# Altium PCB rpi_childboard_pcb.PcbDoc
Units mm, origin at the board's own origin, x right, y up, seen from the top; angles counter-clockwise.
Board outline 80.91 x 83.95 mm, 2 copper layers (Top Layer, Bottom Layer); 11 components, 16 nets, 104 pads, 12 vias.
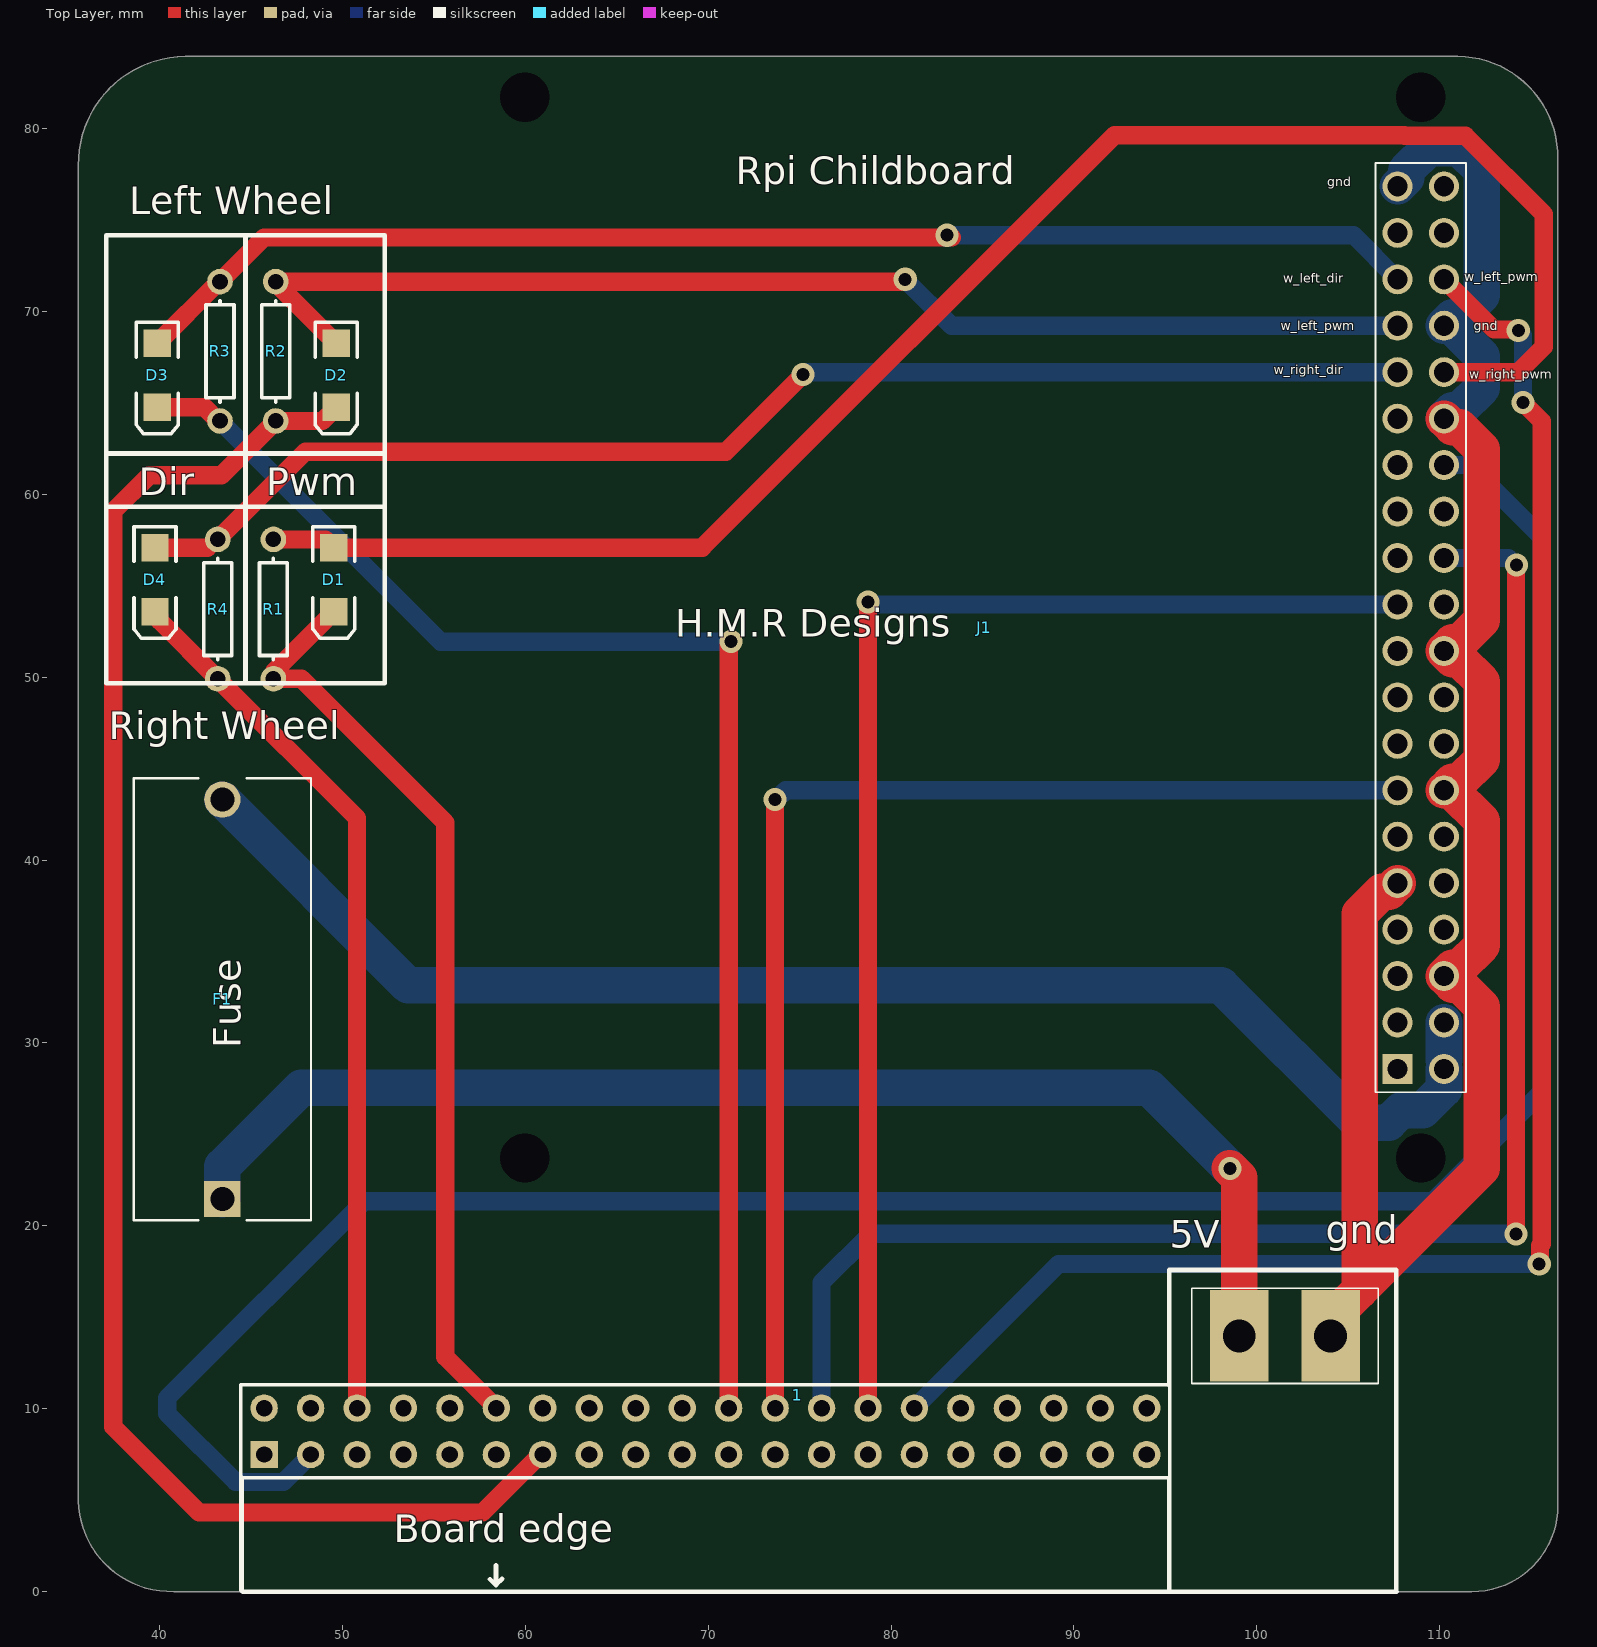
[diagram p0: Top Layer view]
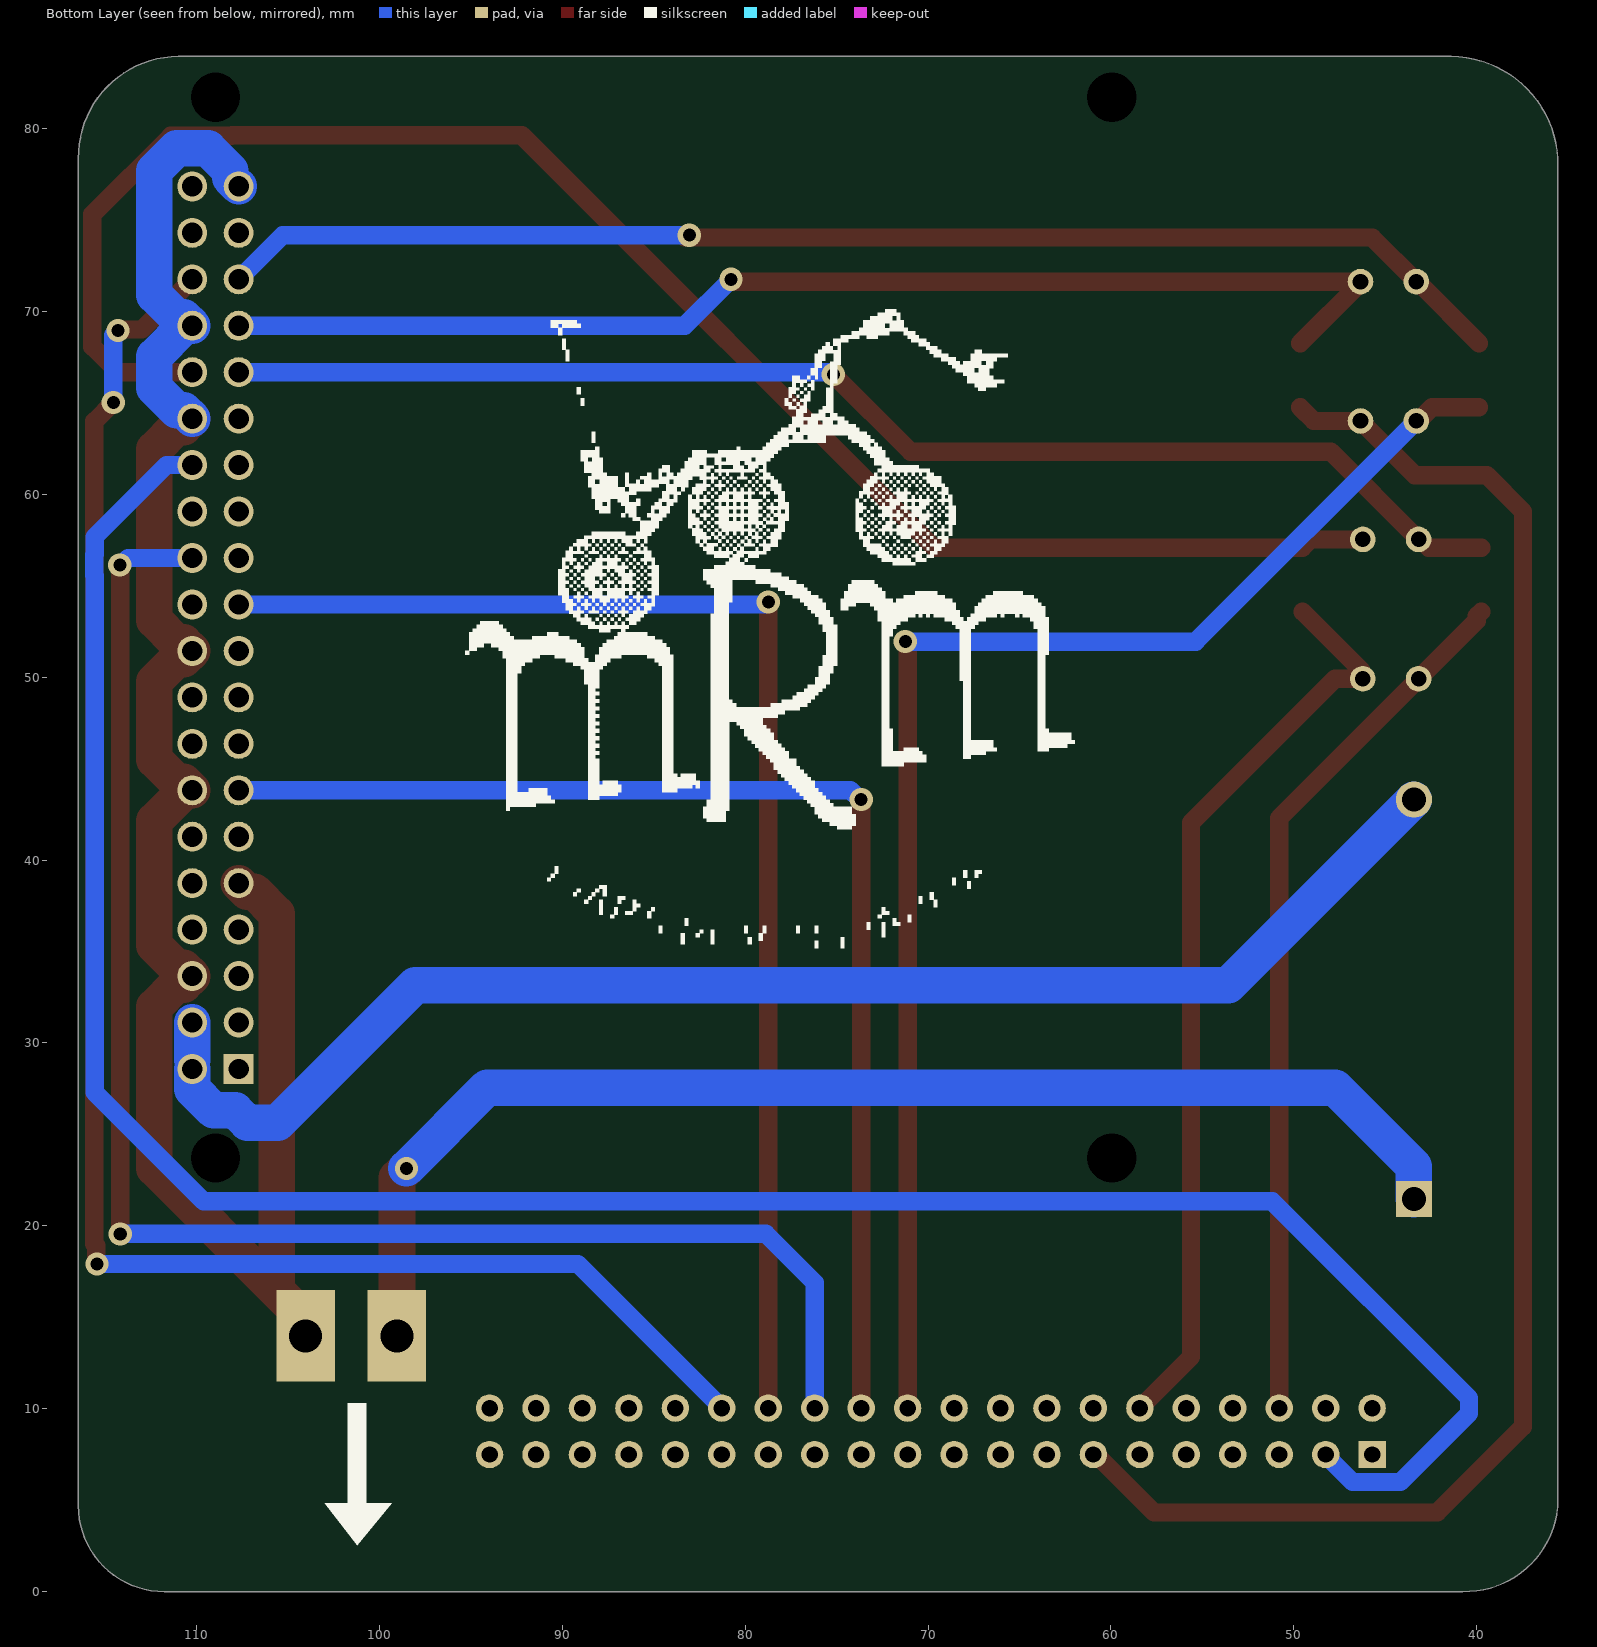
[diagram p1: Bottom Layer view, seen from below]

## Layer stack, top to bottom
Top Solder: solder mask 0.0102, Solder Resist, Dk 3.5
Top Layer: signal copper 0.0356
Dielectric 1: dielectric 0.32, FR-4, Dk 4.8
Bottom Layer: signal copper 0.0356
Bottom Solder: solder mask 0.0102, Solder Resist, Dk 3.5

## Board outline
35.56,4.953 ccw(c40.64,5.08) 40.767,0 111.76,0 111.76,-0.007 ccw(c111.76,4.699) 116.466,4.699 116.459,4.699 116.459,78.359 ccw(c110.934,78.422) 110.998,83.947 41.402,83.947 ccw(c41.465,78.041) 35.56,77.978

## Design rules (kind name [scope] priority, off if disabled: settings)
Clearance [All] p1: gap=0.254 ignorepadtopadclearanceinfootprint=FALSE except(0: Arc-Hole Track-Hole SMDPad-Hole THPad-Hole Via-Hole Fill-Hole Poly-Hole Region-Hole Text-Hole)
PolygonConnect [All] p1: connectstyle=Relief reliefconductorwidth=0.254 reliefentries=4 polygonreliefangle="90 Angle" airgapwidth=0.254
RoutingVias [All] p1: holewidth=0.711 width=1.27 viastyle="Through Hole" minholewidth=0.711 minwidth=1.27 maxholewidth=0.711 maxwidth=1.27
SolderMaskExpansion [All] p1: expansion=0.102 istentingtop=FALSE
Width [All] p1: maxlimit=9 minlimit=0.254 preferedwidth=1 minimp=50.000000 maximp=50.000000 favimp=50.000000
30 further rules are at their usual default settings.

## Components (designator, comment, footprint, x,y, rotation, side; value= is the part's Value field where it differs from the comment)
1 "breakoutboard" "breakoutboard connections" 40.62,7.783 r270 top
D1 "LED2" 3.2X1.6X1.1 49.53,55.333 r270 top
D2 "LED2" 3.2X1.6X1.1 49.657,66.506 r270 top
D3 "LED2" 3.2X1.6X1.1 39.878,66.506 r270 top
D4 "LED2" 3.2X1.6X1.1 39.751,55.333 r270 top
F1 "4527" FUSE_4527 43.434,32.385 r90 top
J1 "RASPBERRY_PI_4B_+_Samtec_ESP-120-33-G-D" RASPBERRYPI4B4GB 107.696,28.575 r270 top
R1 "Res1" AXIAL-0.3 46.228,53.721 r270 top value=1K
R2 "Res1" AXIAL-0.3 46.355,67.818 r270 top value=1K
R3 "Res1" AXIAL-0.3 43.307,67.818 r270 top value=1K
R4 "Res1" AXIAL-0.3 43.18,53.721 r270 top value=1K

## Footprints (in the part's own frame and the unit in brackets; to place one, negate y for a bottom-side part, rotate by r counter-clockwise, add the part's x,y. Pads: shape width x height; smd on the part's side, far side on the other; paste and mask are expansions set on the pad)
3.2X1.6X1.1 [mm] "SMT LED; 2 Flat Leads"
  rect 1.5x1.5 smd: 1(-1.75,0) 2(1.75,0)
  silkscreen extent -2.9,-1.15 3.2,1.15
AXIAL-0.3 [mm] "Axial Device, Thru-Hole; 2 Leads; 0.3 in Pin Spacing"
  round 1.4 hole 0.85: 1(-3.81,0) 2(3.81,0)
  silkscreen extent -2.77,-0.76 2.77,0.76
"breakoutboard connections" [mm]
  rect 1.5x1.5 hole 0.9: 1(0.29,5.1)
  round 1.5 hole 0.9: 2(-2.25,5.1) 3(0.29,7.64) 4(-2.25,7.64) 5(0.29,10.18) 6(-2.25,10.18) 7(0.29,12.72) 8(-2.25,12.72) 9(0.29,15.26) 10(-2.25,15.26) 11(0.29,17.8) 12(-2.25,17.8) 13(0.29,20.34) 14(-2.25,20.34) 15(0.29,22.88) 16(-2.25,22.88) 17(0.29,25.42) 18(-2.25,25.42) 19(0.29,27.96) 20(-2.25,27.96) 21(0.29,30.5) 22(-2.25,30.5) 23(0.29,33.04) 24(-2.25,33.04) 25(0.29,35.58) 26(-2.25,35.58) 27(0.29,38.12) 28(-2.25,38.12) 29(0.29,40.66) 30(-2.25,40.66) 31(0.29,43.2) 32(-2.25,43.2) 33(0.29,45.74) 34(-2.25,45.74) 35(0.29,48.28) 36(-2.25,48.28) 37(0.29,50.82) 38(-2.25,50.82) 39(0.29,53.36) 40(-2.25,53.36)
  rect 5x3.2 hole 1.8: Pow+(-6.198,58.421) Pow-(-6.198,63.421)
  silkscreen extent -9.8,3.83 7.79,67.02, body extent -7,55.82 5.7,66.02, height 5.3
FUSE_4527 [mm]
  rect 1.98x1.98 hole 1.32: 1(-10.92,0)
  round 1.98 hole 1.32: 2(10.92,0)
  silkscreen extent -12.08,-4.85 12.08,4.85
RASPBERRYPI4B4GB [mm]
  rect 1.64x1.64 hole 1.11: 1(0,0)
  round 1.64 hole 1.11: 2(0,2.54) 3(-2.54,0) 4(-2.54,2.54) 5(-5.08,0) 6(-5.08,2.54) 7(-7.62,0) 8(-7.62,2.54) 9(-10.16,0) 10(-10.16,2.54) 11(-12.7,0) 12(-12.7,2.54) 13(-15.24,0) 14(-15.24,2.54) 15(-17.78,0) 16(-17.78,2.54) 17(-20.32,0) 18(-20.32,2.54) 19(-22.86,0) 20(-22.86,2.54) 21(-25.4,0) 22(-25.4,2.54) 23(-27.94,0) 24(-27.94,2.54) 25(-30.48,0) 26(-30.48,2.54) 27(-33.02,0) 28(-33.02,2.54) 29(-35.56,0) 30(-35.56,2.54) 31(-38.1,0) 32(-38.1,2.54) 33(-40.64,0) 34(-40.64,2.54) 35(-43.18,0) 36(-43.18,2.54) 37(-45.72,0) 38(-45.72,2.54) 39(-48.26,0) 40(-48.26,2.54)
  round 1.35 hole 2.7 unplated: 41(4.87,1.27) 42(-53.13,1.27) 43(-53.13,-47.73) 44(4.87,-47.73)
  silkscreen extent -49.53,-1.2 1.27,3.74, body extent -80.63,-53.62 8.36,4.78, height 22.43

## Part data
D1 D2 D3 D4: "Typical RED, GREEN, YELLOW, AMBER GaAs LED", LatestRevisionDate=17-Jul-2002, LatestRevisionNote="Re-released for DXP Platform.", PackageDescription="SM LED; 2 Flat Leads", PackageReference=3.2X1.6X1.1, PackageVersion=Feb-2002, Published=8-Jun-2000, Publisher="Altium Limited"
F1: "Fuseholder; 5 A; 250 V; Nylon; Base only; Brass, Tin Plate (Contact)", Package=None, Availability=Unavailable, MP=4527, Price=None
J1: "Connector", Manufacturer_Name=RASPBERRY-PI, Manufacturer_Part_Number="RASPBERRY PI 4B + Samtec ESP-120-33-G-D", Datasheet Link=https://www.raspberrypi.org/documentation/hardware/raspberrypi/mechanical/rpi_MECH_4b_4p0.pdf, Height=24.3mm
R1 R2 R3 R4: "Resistor", LatestRevisionDate=17-Jul-2002, LatestRevisionNote="Re-released for DXP Platform.", PackageDescription="Axial Device, Thru-Hole; 2 Leads; 0.3 in Pin Spacing", PackageReference=AXIAL-0.3, Published=8-Jun-2000, Publisher="Altium Limited"

## Via types
v1: diameter 1.27, hole 0.711, Top Layer to Bottom Layer, 12 vias

## Nets (pads, with @x,y where several pads share a name; then routed paths per layer and width w, separated by ;. In a path a pad name is that pad's centre, name@x,y a point inside that pad or via, vN(x,y) a via of type N, cw(c..) or ccw(c..) an arc to the next point about the centre after c; other vN are vias at no path point)
Net1_3: 1.3 J1.28 | length 130.3
  Bottom Layer w1: 1.3 48.26,7.467 46.782,5.989 44.176,5.989 40.419,9.746 40.419,10.574 51.181,21.336 109.606,21.336 115.57,27.3 115.57,55.541 115.588,55.559 115.588,56.709 115.57,56.727 115.57,57.658 111.633,61.595 J1.28
Net1_6: 1.6 D4.2 R4.2 | length 48.1
  Top Layer w1: D4.2 40.001,53.333 40.001,53.09 R4.2 50.8,42.291 1.6
Net1_12: 1.12 D1.2 R1.2 | length 50.9
  Top Layer w1: D1.2 46.305,50.357 46.305,49.988 R1.2 47.752,49.911 55.626,42.037 55.626,12.827 1.12
Net1_13: 1.13 D2.2 R2.2 | length 91.3
  Top Layer w1: D2.2 48.909,64.008 R2.2 43.385,61.038 39.448,61.038 37.465,59.055 37.465,9.017 42.164,4.318 57.65,4.318 60.825,7.493 1.13
Net1_22: 1.22 D3.2 R3.2 | length 78.6
  Top Layer w1: D3.2 42.45,64.756 43.199,64.008 R3.2 ; 1.22 71.12,51.743 71.247,51.87 v1(71.247,51.943)
  Bottom Layer w1: R3.2 55.372,51.943 v1(71.247,51.943)
Net1_24: 1.24 J1.13 | length 67.5
  Top Layer w1: 1.24 v1(73.66,43.307)
  Bottom Layer w1: v1(73.66,43.307) 73.733,43.307 74.241,43.815 J1.13
Net1_26: 1.26 J1.24 | length 86.6
  Top Layer w1: v1(114.173,19.558) 114.173,56.108 v1(114.199,56.134)
  Bottom Layer w1: 1.26 76.2,16.891 78.867,19.558 v1(114.173,19.558) ; J1.24 113.745,56.515 114.126,56.134 v1(114.199,56.134)
Net1_28: 1.28 J1.21 | length 73.1
  Top Layer w1: 1.28 v1(78.74,54.102)
  Bottom Layer w1: v1(78.74,54.102) 78.813,54.102 78.94,53.975 J1.21
Net1_30: 1.30 J1.36 | length 94.3
  Top Layer w1: J1.36 112.978,69.013 114.248,69.013 v1(114.3,68.961) ; v1(114.554,65.024) 115.588,63.99 115.588,19.009 115.49,18.911 115.49,17.959 v1(115.439,17.907)
  Bottom Layer w1: 1.30 89.154,17.907 v1(115.439,17.907) ; v1(114.3,68.961) 114.554,68.707 v1(114.554,65.024)
Net1_Pow+: 1.Pow+ F1.1 | length 69.9
  Top Layer w2: v1(98.528,23.138) 99.041,22.625 1.Pow+
  Bottom Layer w2: F1.1 43.434,23.241 47.752,27.559 94.107,27.559 v1(98.528,23.138)
Net1_Pow-: 1.Pow- J1.6 J1.9 J1.14 J1.20 J1.30 J1.34 J1.39 | length 107.6
  Top Layer w2: 1.Pow- 104.041,14.881 1.Pow-@105.622,16.462 ; J1.9 107.23,38.269 106.837,38.269 105.622,37.054 1.Pow-@105.622,16.462 ; J1.30 110.702,63.669 111.095,63.669 112.31,62.454 112.31,53.116 111.095,51.901 110.702,51.901 J1.20 110.702,50.969 111.095,50.969 112.31,49.754 112.31,45.496 111.095,44.281 110.702,44.281 J1.14 110.629,43.815 112.31,42.134 112.31,35.336 111.095,34.121 110.702,34.121 J1.6 110.702,33.189 111.095,33.189 112.31,31.974 112.31,23.15 1.Pow-@105.622,16.462
  Bottom Layer w2: J1.39 108.162,77.301 108.162,77.694 109.377,78.909 111.095,78.909 112.31,77.694 112.31,70.896 111.095,69.681 110.702,69.681 J1.34 110.629,69.215 112.31,67.534 112.31,65.816 111.095,64.601 110.702,64.601 J1.30
NetD1_1: D1.1 J1.32 R1.1 | length 94.1
  Top Layer w1: R1.1 49.082,57.531 D1.1 69.671,57.083 92.217,79.629 108.066,79.629 108.094,79.601 111.407,79.601 115.697,75.311 115.697,68.072 114.3,66.675 J1.32
NetD2_1: D2.1 J1.33 R2.1 | length 67.2
  Top Layer w1: D2.1 46.355,71.558 R2.1 80.645,71.628 v1(80.772,71.755)
  Bottom Layer w1: v1(80.772,71.755) 83.312,69.215 J1.33
NetD3_1: D3.1 J1.35 R3.1 | length 71.5
  Top Layer w1: D3.1 43.25,71.628 R3.1 45.72,74.041 v1@83.312,74.041
  Bottom Layer w1: v1(83.058,74.168) 105.283,74.168 J1.35
NetD4_1: D4.1 J1.31 R4.1 | length 71.2
  Top Layer w1: D4.1 42.623,57.083 ; R4.1 47.981,62.332 70.968,62.332 v1(75.184,66.548)
  Bottom Layer w1: v1(75.184,66.548) 75.257,66.548 75.384,66.675 J1.31
NetF1_2: F1.2 J1.2 J1.4 | length 78.1
  Bottom Layer w2: F1.2 53.592,33.147 98.044,33.147 105.556,25.635 107.213,25.635 107.887,26.309 109.064,26.309 110.236,27.481 J1.2 ; J1.2@110.236,29.041 J1.4
pads on no net: 1.1 1.2 1.4 1.5 1.7 1.8 1.9 1.10 1.11 1.14 1.15 1.16 1.17 1.18 1.19 1.20 1.21 1.23 1.25 1.27 1.29 1.31 1.32 1.33 1.34 1.35 1.36 1.37 1.38 1.39 1.40 J1.1 J1.3 J1.5 J1.7 J1.8 J1.10 J1.11 J1.12 J1.15 J1.16 J1.17 J1.18 J1.19 J1.22 J1.23 J1.25 J1.26 J1.27 J1.29 J1.37 J1.38 J1.40 J1.41 J1.42 J1.43 J1.44

## Silkscreen, mask and mechanical layers (free items; w line width, h text height)
Top Overlay:
  lines w0.254: 37.084,49.657 44.704,49.657 ; 37.084,49.657 37.084,74.168 ; 37.084,49.657 52.324,49.657 ; 37.084,49.657 37.084,59.309 52.324,59.309 52.324,49.657 ; 37.084,74.168 52.324,74.168 ; 37.084,74.168 37.084,62.23 52.324,62.23 52.324,74.168 ; 37.084,74.168 44.704,74.168 ; 44.704,49.657 52.324,49.657 ; 44.704,49.657 44.704,74.168 ; 44.704,49.657 44.704,74.168 ; 44.704,74.168 52.324,74.168 ; 52.324,49.657 52.324,74.168
  text "Rpi Childboard" at 71.501,76.962 h1.52
  text "gnd" at 103.859,76.848 h0.5
  text "Left Wheel" at 38.354,75.311 h1.52
  text "w_left_pwm" at 111.352,71.641 h0.5
  text "w_left_dir" at 101.446,71.557 h0.5
  text "w_left_pwm" at 101.319,68.974 h0.5
  text "gnd" at 111.86,68.974 h0.5
  text "w_right_dir" at 100.938,66.561 h0.5
  text "w_right_pwm" at 111.606,66.307 h0.5
  text "Dir" at 38.862,59.944 h1.52
  text "Pwm" at 45.847,59.944 h1.52
  text "H.M.R Designs" at 68.199,52.197 h1.52
  text "Right Wheel" at 37.211,46.609 h1.52
  text "Fuse" at 44.45,29.718 h1.52 r90
  text "gnd" at 103.759,19.05 h1.52
  text "5V" at 95.25,18.796 h1.52
Bottom Overlay:
  drawing of 42 lines, arcs and shapes, not listed
Mechanical 15:
  lines w0.254: 111.76,-0.007 ccw(c111.76,4.699) 116.466,4.699 ; 111.76,0 40.767,0 cw(c40.64,5.08) 35.56,4.953 35.56,77.978 cw(c41.465,78.041) 41.402,83.947 110.998,83.947 cw(c110.934,78.422) 116.459,78.359 116.459,4.699

## Text inside footprints (layer, text, board x,y; h text height)
1: Top Overlay "Board edge" at 52.804,2.705 h1.52